# Altium PCB EE4951_BPM_REVA.PcbDoc (part 1 of 3) (continued)
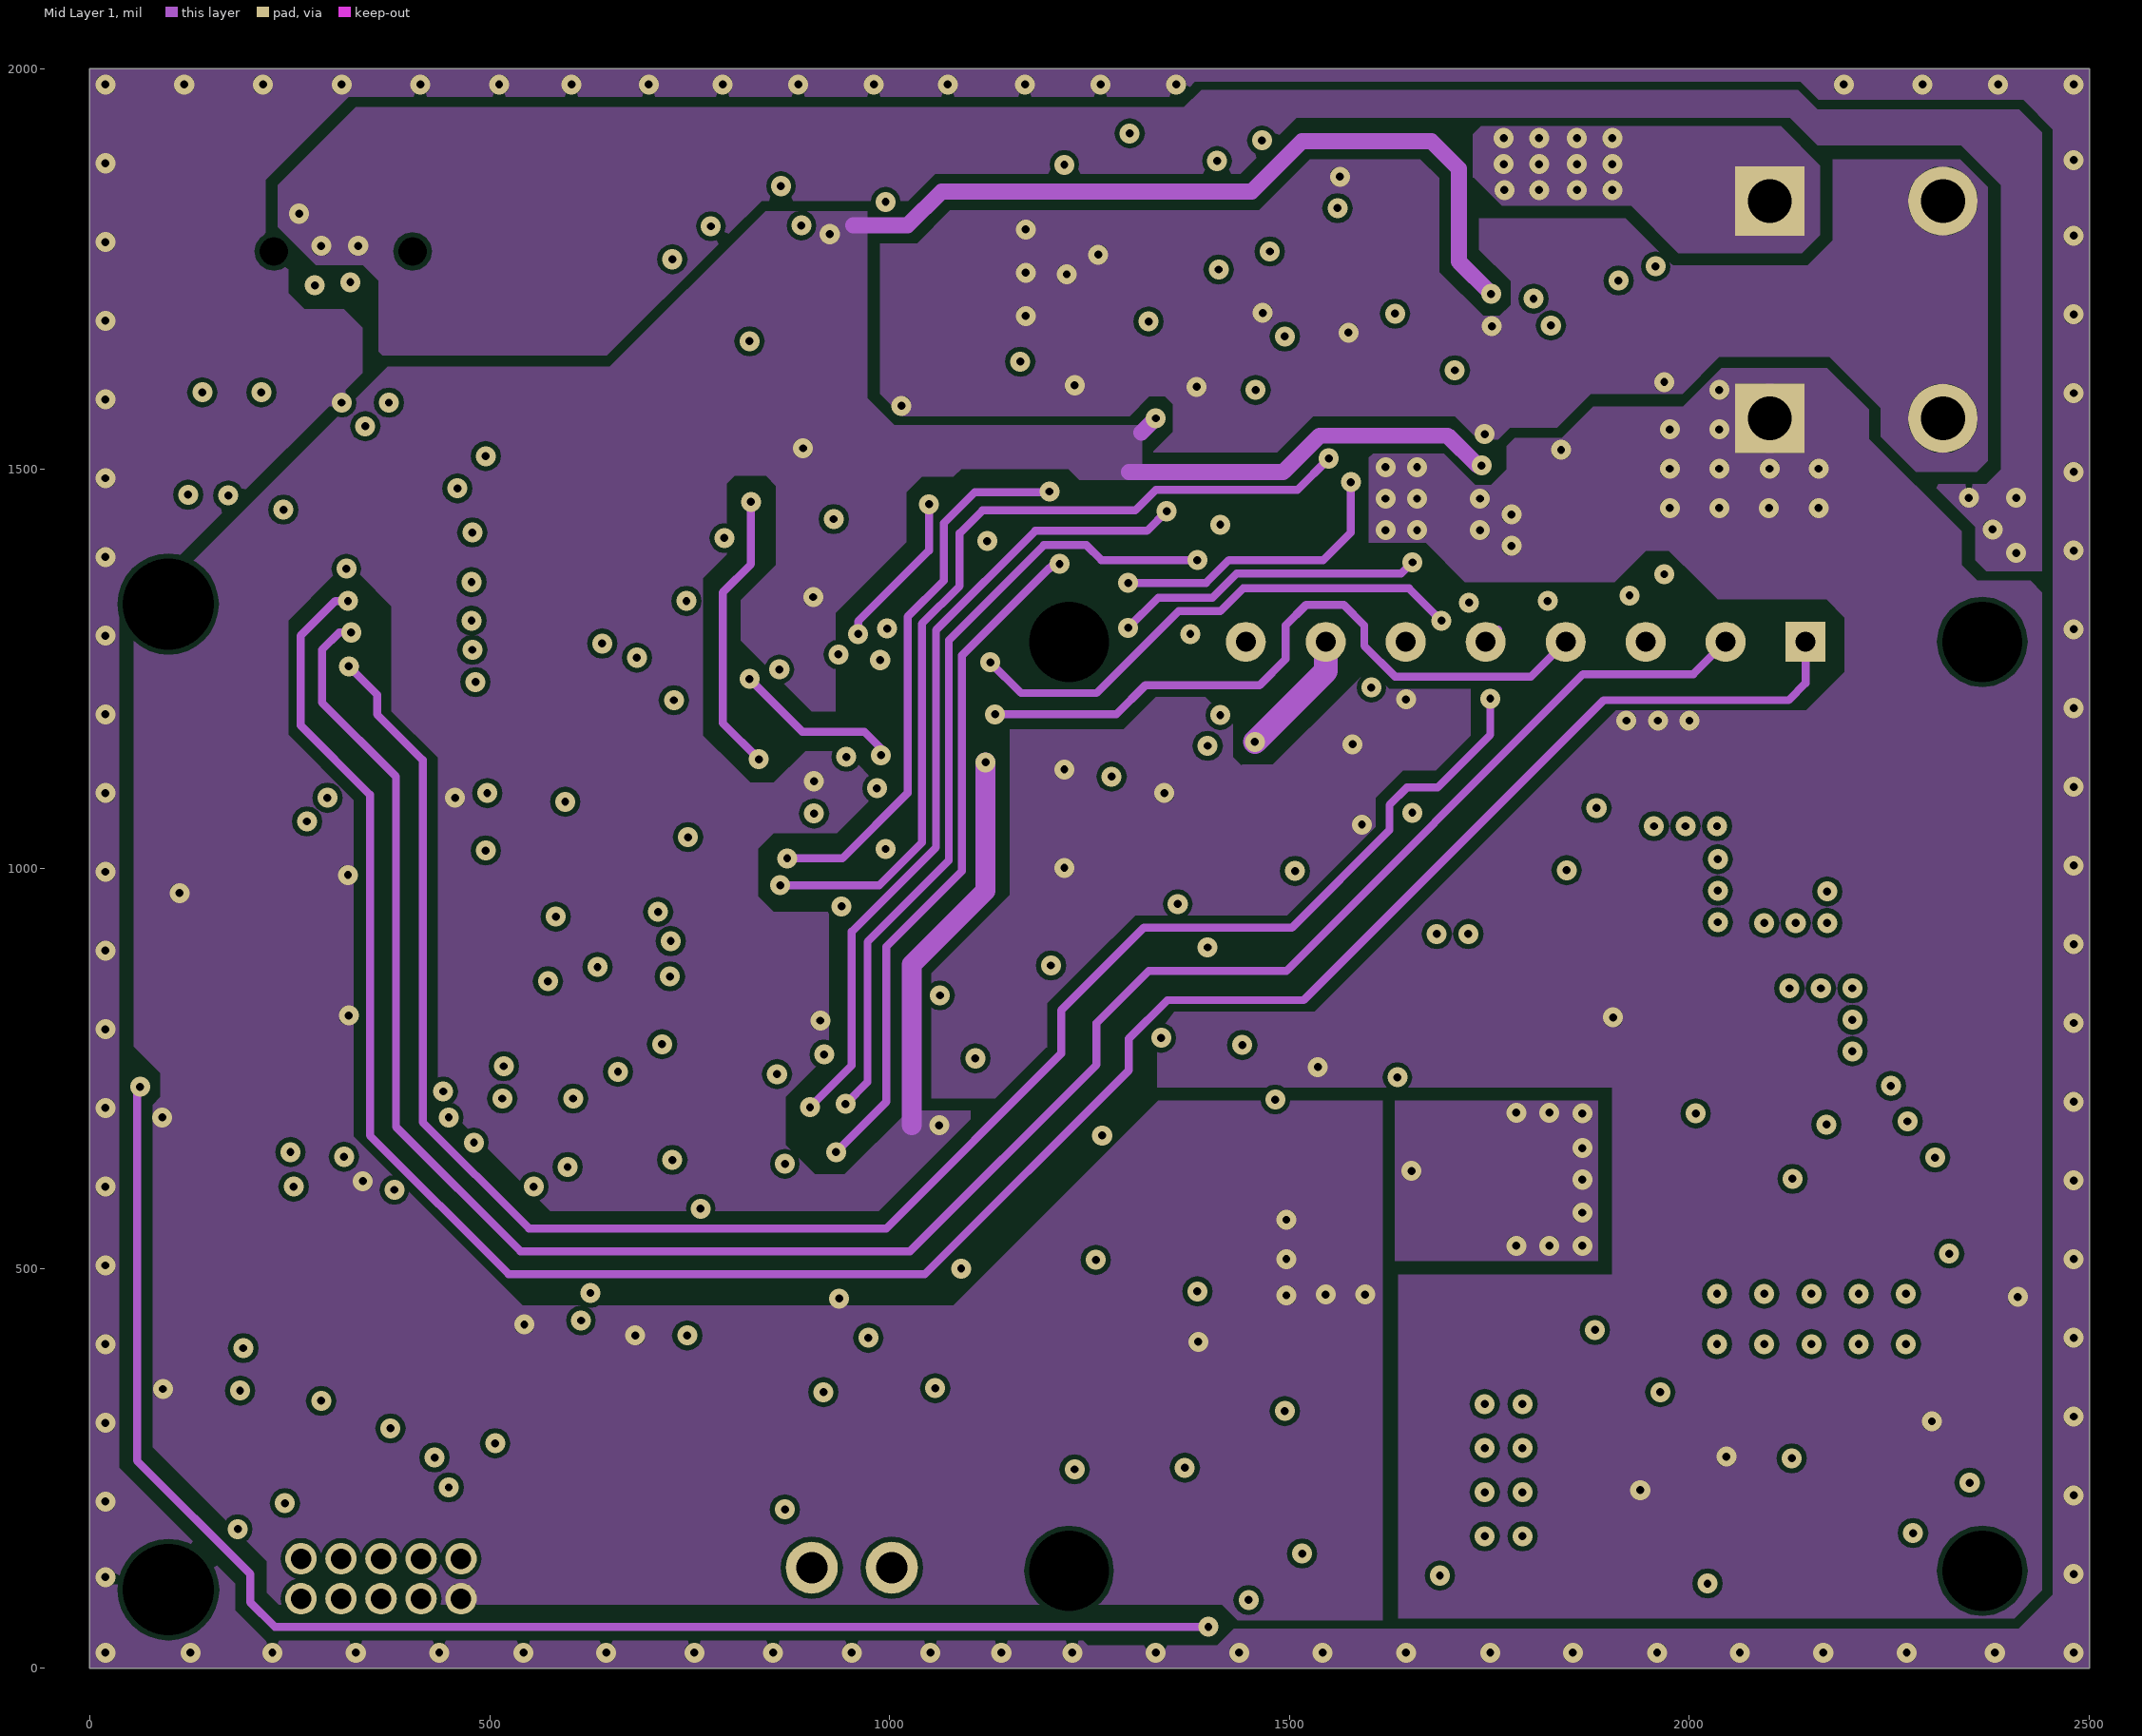
[diagram p3: Mid Layer 1]
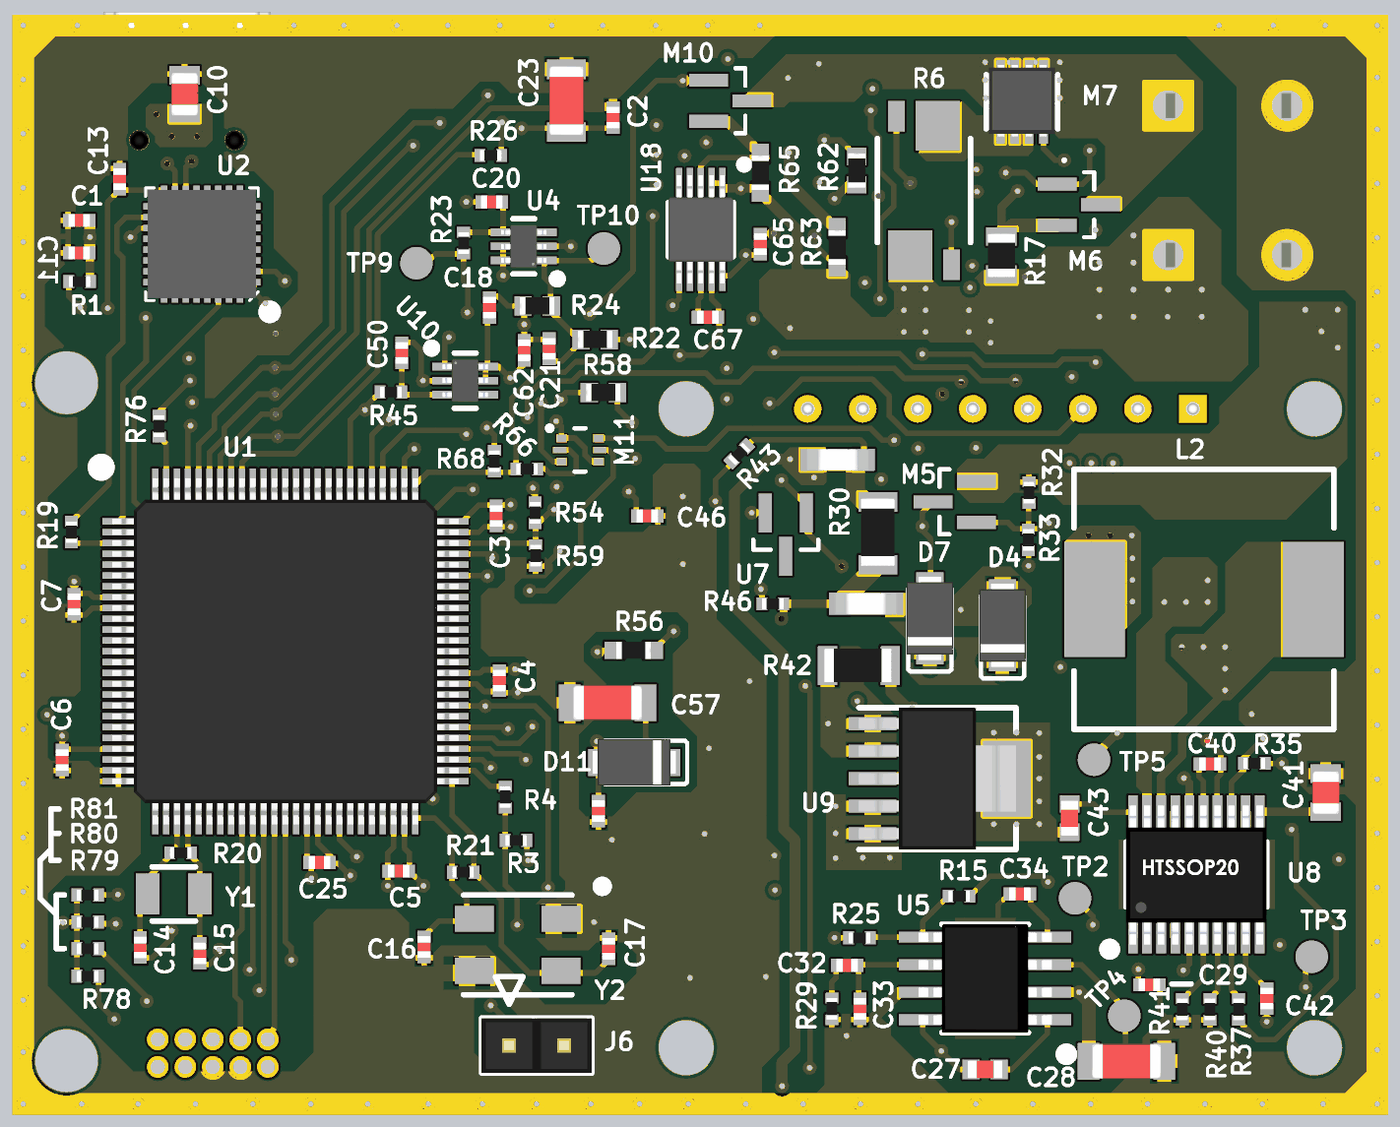
[diagram p6: 3D render of the assembled board from above, using the file's embedded part models]
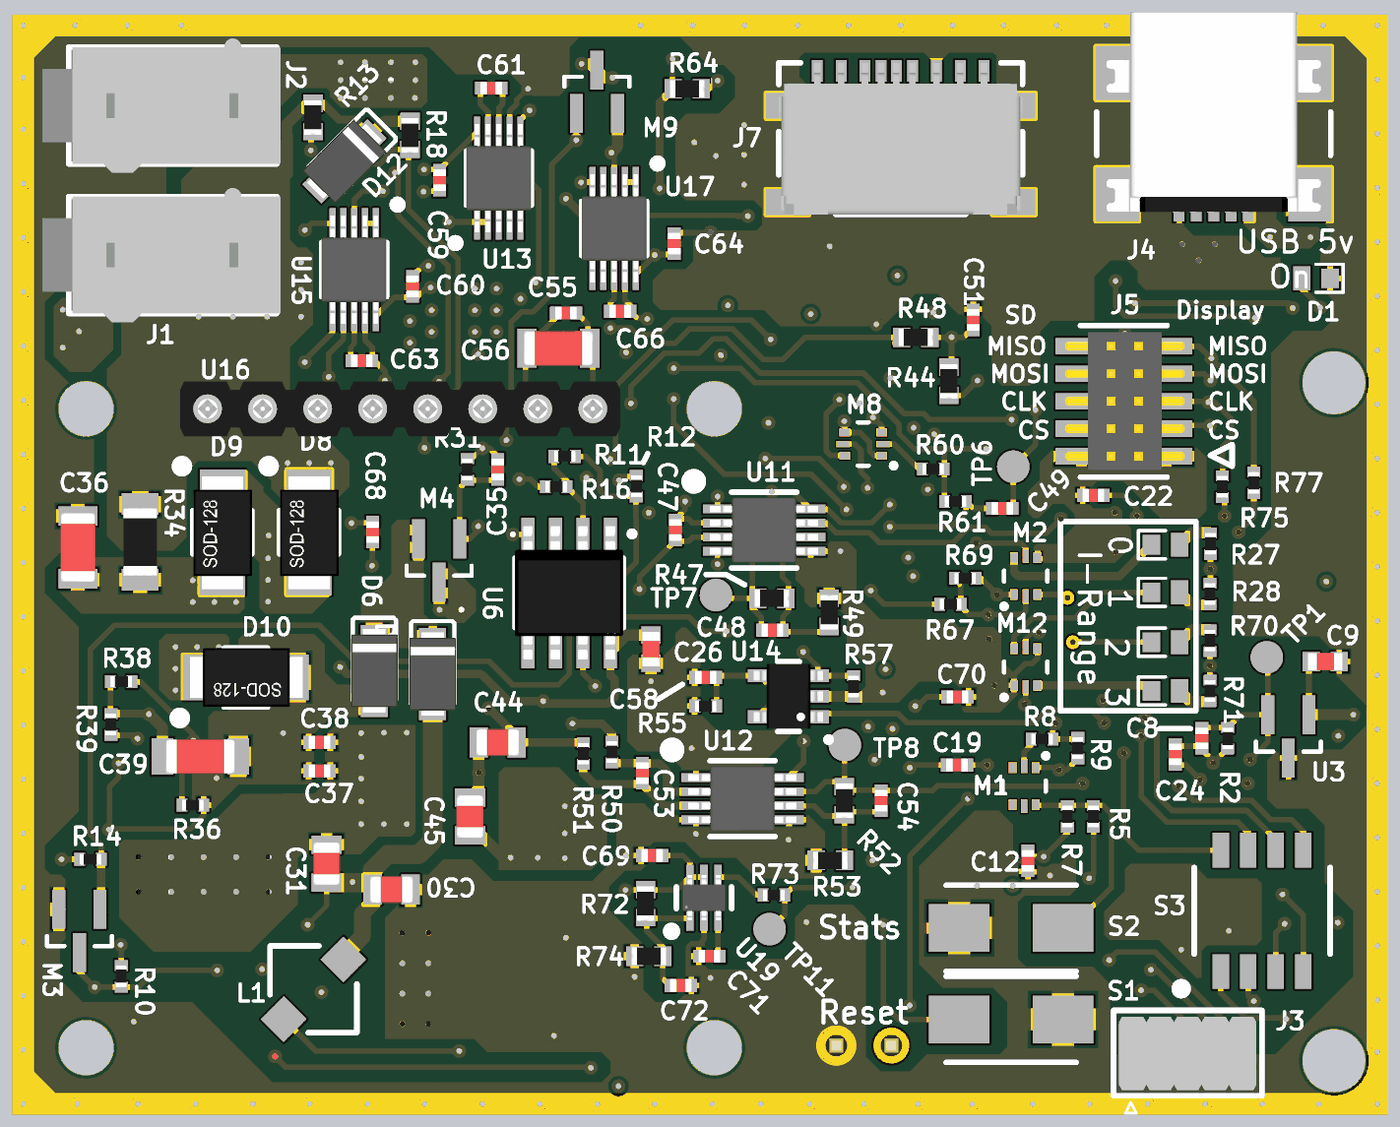
[diagram p7: 3D render of the assembled board from below, using the file's embedded part models]

## Layer stack, top to bottom
Top Solder: solder mask 0.4, Solder Resist, Dk 3.5
Top Layer: signal copper 1.4
Dielectric 1: core 10, FR-4, Dk 4.2
Ground Plane: signal copper 1.417
Dielectric 4: prepreg 5, Dk 4.2
Mid Layer 1: signal copper 1.417
Dielectric 3: core 10, Dk 4.2
Bottom Layer: signal copper 1.4
Bottom Solder: solder mask 0.4, Solder Resist, Dk 3.5

## Board outline
0,0 0,2000 2500,2000 2500,0

## Design rules (kind name [scope] priority, off if disabled: settings)
Clearance [All] p1: gap=6
DiffPairsRouting [All] p1: maxlimit=10 minlimit=10 mostfreqgap=10 toplayer_minwidth=10 toplayer_maxwidth=39.37 toplayer_prefwidth=15 midlayer1_minwidth=10 midlayer1_maxwidth=39.37 midlayer1_prefwidth=15 midlayer2_minwidth=15 midlayer2_maxwidth=15 midlayer2_prefwidth=15 bottomlayer_minwidth=10 bottomlayer_maxwidth=39.37 bottomlayer_prefwidth=15 maxuncoupledlength=500
HoleSize [All] p1: absolutevalues=TRUE maxlimit=200 minlimit=10 maxpercent=80.000 minpercent=20.000
MinimumSolderMaskSliver [All] p1 off: minsoldermaskwidth=10
PolygonConnect PolygonConnect_8 [All vs IsNamedPolygon('Internal Ground Plane')] p1: connectstyle=Relief reliefconductorwidth=10 reliefentries=4 polygonreliefangle="90 Angle" airgapwidth=10
PolygonConnect PolygonConnect_7 [All] p2: connectstyle=Relief reliefconductorwidth=10 reliefentries=4 polygonreliefangle="90 Angle" airgapwidth=0
PolygonConnect PolygonConnect_6 [All vs IsNamedPolygon('V_BAT_L01_P004')] p3: connectstyle=Relief reliefconductorwidth=10 reliefentries=4 polygonreliefangle="90 Angle" airgapwidth=0
PolygonConnect PolygonConnect_5 [All vs IsNamedPolygon('V_BAT_L01_P004')] p4: connectstyle=Relief reliefconductorwidth=10 reliefentries=4 polygonreliefangle="90 Angle" airgapwidth=0
PolygonConnect PolygonConnect_4 [All vs IsNamedPolygon('V_DUT_L01_P002')] p5: connectstyle=Relief reliefconductorwidth=10 reliefentries=4 polygonreliefangle="90 Angle" airgapwidth=0
PolygonConnect PolygonConnect_3 [All vs IsNamedPolygon('V_DUT_L01_P000')] p6: connectstyle=Relief reliefconductorwidth=10 reliefentries=4 polygonreliefangle="90 Angle" airgapwidth=0
PolygonConnect PolygonConnect_2 [All vs IsNamedPolygon('DUT_ISENSE_IN0_L04_P004')] p7: connectstyle=Relief reliefconductorwidth=10 reliefentries=4 polygonreliefangle="90 Angle" airgapwidth=0
PolygonConnect PolygonConnect_1 [All vs IsNamedPolygon('DUT_GND')] p8: connectstyle=Relief reliefconductorwidth=10 reliefentries=4 polygonreliefangle="90 Angle" airgapwidth=0
PolygonConnect [All] p9: connectstyle=Relief reliefconductorwidth=10 reliefentries=4 polygonreliefangle="90 Angle" airgapwidth=10
RoutingVias [All] p1: holewidth=10 width=25 viastyle="Through Hole" minholewidth=10 minwidth=25 maxholewidth=10 maxwidth=25
SilkToSilkClearance [All] p1 off: silktosilkclearance=10
SilkToSolderMaskClearance [IsPad] p1 off: minsilkscreentomaskgap=10 clearancetoexposedcopper=TRUE
SolderMaskExpansion [All] p1: expansion=4
Width [All] p1: maxlimit=100 minlimit=6 preferedwidth=10 midlayer1_minwidth=10 midlayer2_minwidth=10 midlayer2_maxwidth=10 minimp=50.000000 maximp=50.000000 favimp=50.000000
25 further rules are at their usual default settings.

## Classes and differential pairs
component class Power: C26 C27 C28 C29 C30 C31 C32 C33 C34 C35 C36 C37 C38 C39 C40 C41 C42 C43 C44 C45 C46 C47 C48 C49 C50 C51 C52 C53 C54 C57 C58 C62 C68 C69 C70 C71 C72 D4 D5 D6 D7 D8 D9 D10 D11 J1 J2 L1 L2 M3 M4 M5 Mech1 Mech2 NT1 NT2 R10 R11 R12 R14 R15 R16 R25 R29 R30 R31 R32 R33 R34 R35 R36 R37 R38 R39 R40 R41 R42 R43 R44 R45 R46 R47 R48 R49 R50 R51 R52 R53 R55 R56 R57 R72 R73 R74 TP2 TP3 TP4 TP5 TP6 TP7 TP8 TP11 U5 U6 U7 U8 U9 U10 U11 U12 U14 U19
component class "OLED Display": C55 C56 U16
component class "Voltage Measurement": C18 C19 C20 C21 R22 R23 R24 TP9 TP10 U4
component class Microcontroller: C1 C2 C3 C4 C5 C6 C7 C8 C9 C10 C11 C12 C13 C14 C15 C16 C17 C22 C23 C24 C25 D1 D2 D3 D13 D14 J3 J4 J5 J6 J7 M1 M2 M12 R1 R2 R3 R4 R5 R7 R8 R9 R19 R20 R21 R26 R27 R28 R70 R71 R75 R76 R77 R78 R79 R80 R81 S1 S2 S3 TP1 U1 U2 U3 Y1 Y2
component class "Current Measurement": C59 C60 C61 C63 C64 C65 C66 C67 D12 M6 M7 M8 M9 M10 M11 R6 R13 R17 R18 R54 R58 R59 R60 R61 R62 R63 R64 R65 R66 R67 R68 R69 U13 U15 U17 U18
differential pair V5_ISENSE: +V5_ISENSE_P -V5_ISENSE_N
differential pair V3_ISENSE: +V3_ISENSE_P -V3_ISENSE_N
differential pair USBD: +USBD_P -USBD_N
differential pair OSC32K: +OSC32K_P -OSC32K_N
differential pair OSC8M: +OSC8M_P -OSC8M_N

## Components (designator, comment, footprint, x,y, rotation, side; value= is the part's Value field where it differs from the comment)
C1 "10nF" CAP0402R 121.06,1625.98 r180 top
C2 "0.1uF" CAP0402R 1091.54,1812.99 r90 top
C3 "0.1uF" CAP0402R 878.94,1088.58 r270 top
C4 "0.1uF" CAP0402R 884.84,789.37 r270 top
C5 "0.1uF" CAP0402R 701.77,442.91 r0 top
C6 "0.1uF" CAP0402R 90.55,644.88 r270 top
C7 "0.1uF" CAP0402R 112.2,928.15 r270 top
C8 "1nF" CAP0402R 338.58,684.25 r270 bottom
C9 "1uF" CAP0603R 114.17,823.82 r180 bottom
C10 "4.7uF" CAP0805R 312.99,1855.32 r90 top
C11 "0.1uF" CAP0402R 121.06,1566.93 r180 top
C12 "1nF" CAP0402R 654.53,461.61 r270 bottom
C13 "0.1uF" CAP0402R 194.88,1700.79 r270 top
C14 "12pF" CAP0402R 232.28,304.13 r90 top
C15 "12pF" CAP0402R 340.55,293.31 r90 top
C16 "22pF" CAP0402R 748.03,305.12 r90 top
C17 "22pF" CAP0402R 1083.66,302.17 r270 top
C18 "0.1uF" CAP0402R 867.13,1467.52 r90 top
C19 "15pF" CAP0402R 783.46,635.83 r180 bottom
C20 "15pF" CAP0402R 871.06,1659.45 r180 top
C21 "10pF" CAP0402R 975.39,1392.72 r90 top
C22 "0.1uF" CAP0402R 535.43,1125.98 r0 bottom
C23 "10uF" CAP1206R 1006.89,1843.5 r270 top
C24 "0.1uF" CAP0402R 386.81,655.51 r90 bottom
C25 "0.1uF" CAP0402R 558.07,458.66 r0 top
C26 "0.1uF" CAP0603R 1339.57,846.46 r90 bottom
C27 "0.1uF" CAP0603R 1767.72,82.68 r180 top
C28 "10uF" CAP1206W 2024.61,97.44 r0 top
C29 "4.7nF" CAP0402R 2065.94,236.22 r180 top
C30 "33uF" CAP0805R 1811.02,409.45 r180 bottom
C31 "33uF" CAP0805R 1929.13,456.69 r90 bottom
C32 "4.7nF" CAP0402R 1516.73,271.65 r0 top
C33 "39pF" CAP0402R 1540.35,192.91 r90 top
C34 "1nF" CAP0402R 1830.71,401.57 r180 top
C35 "10pF" CAP0402R 1618.11,1173.23 r90 bottom
C36 "10uF" CAP1206R 2380.91,1031.5 r90 bottom
C37 "1nF" CAP0402R 1941.93,625 r180 bottom
C38 "0.1uF" CAP0402R 1941.93,677.17 r180 bottom
C39 "10uF" CAP1206W 2158.46,651.57 r0 bottom
C40 "0.1uF" CAP0402R 2176.18,637.8 r0 top
C41 "0.47uF" CAP0805R 2386.81,585.63 r270 top
C42 "4.7nF" CAP0402R 2279.53,211.61 r270 top
C43 "0.1uF" CAP0603R 1921.26,539.37 r270 top
C44 "10uF" CAP0805R 1618.11,677.17 r0 bottom
C45 "10uF" CAP0805R 1668.31,542.32 r90 bottom
C46 "0.1uF" CAP0402R 1153.54,1088.58 r0 top
C47 "4.7nF" CAP0402R 1295.28,1062.99 r270 bottom
C48 "15pF" CAP0402R 1119.09,880.91 r180 bottom
C49 "15pF" CAP0402R 700.79,1102.36 r0 bottom
C50 "15pF" CAP0402R 707.68,1384.84 r90 top
C51 "2.2pF" CAP0402R 753.94,1444.88 r90 bottom
C52 "0.1uF" CAP0402R 1064.96,552.17 r270 top
C53 "4.7nF" CAP0402R 1355.32,621.06 r270 bottom
C54 "15pF" CAP0402R 921.26,570.87 r270 bottom
C55 "0.1uF" CAP0402R 1494.09,1457.68 r180 bottom
C56 "10uF" CAP1206R 1507.87,1393.7 r180 bottom
C57 "10uF" CAP1206W 1081.69,749.02 r180 top
C58 "0.1uF" CAP0402R 1240.16,795.28 r0 bottom
C59 "0.1uF" CAP0402R 1723.43,1698.82 r270 bottom
C60 "0.1uF" CAP0402R 1772.64,1505.91 r90 bottom
C61 "1nF" CAP0402R 1629.92,1866.14 r0 bottom
C62 "0.1uF" CAP0402R 930.12,1389.76 r90 top
C63 "1nF" CAP0402R 1865.16,1371.06 r180 bottom
C64 "0.1uF" CAP0402R 1297.24,1583.66 r90 bottom
C65 "0.1uF" CAP0402R 1359.25,1582.68 r90 top
C66 "1nF" CAP0402R 1395.67,1460.63 r180 bottom
C67 "1nF" CAP0402R 1263.78,1449.8 r0 top
C68 "0.1uF" CAP0402R 1845.47,1059.06 r270 bottom
C69 "0.1uF" CAP0402R 1337.6,471.46 r0 bottom
C70 "15pF" CAP0402R 782.48,759.84 r180 bottom
C71 "15pF" CAP0402R 1233.27,288.39 r0 bottom
C72 "2.2pF" CAP0402R 1285.43,235.24 r180 bottom
D1 "LTST-S270KGKT" "LED Green 0603" 130.91,1520.67 r180 bottom
D2 "LTST-S270KGKT" "LED Green 0603" 404.53,1036.42 r0 bottom
D3 "LTST-S270KGKT" "LED Green 0603" 404.53,949.8 r0 bottom
D4 "PMEG3020" SOD-123 1799.21,889.76 r270 top
D5 "PMEG3020" SOD-123 1736.22,801.18 r90 bottom
D6 "PMEG3020" SOD-123 1842.51,807.08 r90 bottom
D7 "PMEG3020" SOD-123 1667.32,902.56 r270 top
D8 "PMEG3050" SOD128 1960.63,1059.05 r90 bottom
D9 "PMEG3050" SOD128 2118.11,1059.05 r90 bottom
D10 "PMEG3050" SOD128 2075.79,795.28 r0 bottom
D11 "BAT43W-G3-18" SOD-123 1129.92,640.75 r0 top
D12 "BZT52H-C18,115" SOD-123 1896.65,1733.27 r135 bottom
D13 "LTST-S270KGKT" "LED Green 0603" 404.53,859.25 r0 bottom
D14 "LTST-S270KGKT" "LED Green 0603" 404.53,770.67 r0 bottom
J1 "39-29-3026" "1x2 MicroFit" 2208.66,1562.99 r0 bottom
J2 "39-29-3026" "1x2 MicroFit" 2208.66,1834.65 r0 bottom
J3 "20021111-00010T4LF" "2x5 Header (1.27mm)" 364.17,112.2 r180 bottom
J4 "1734035-4" "USB MINI-B 1734035-4" 316.93,1669.29 r270 bottom
J5 "20021121-00010C4LF" "2x5 JTAG Header" 480.32,1297.24 r90 bottom
J6 "1x2 Header" "1x2 Header" 952.76,125.98 r0 top
J7 "Micro SD Connector" MICROSD_1050270001 885.83,1897.64 r0 bottom locked
L1 "6.8uH" CDRH3D28NP-6R8NC 1952.76,228.35 r180 bottom
L2 "22uH" Bourns_SRR1210 2165.35,937.01 r270 top
M1 "NX3020NAKV,115" SOT666-6N 661.42,597.64 r270 bottom
M2 "NX3020NAKV,115" SOT666-6N 658.46,979.33 r90 bottom
M3 "2N7002P,215" SOT23-3M 2377.95,334.65 r270 bottom
M4 "SI2315BDS-T1-E3" SOT23-3M 1724.41,1007.87 r270 bottom
M5 "SI2315BDS-T1-E3" SOT23-3M 1712.6,1114.17 r180 top
M6 "DMP3056L-7" SOT23-3M 1937.99,1654.53 r0 top
M7 "SI7101DN-T1-GE3" PowerPAK-1212-8 1834.65,1841.54 r90 top
M8 "NX3020NAKV,115" SOT666-6N 953.74,1219.49 r0 bottom
M9 "DMP3056L-7" SOT23-3M 1437.99,1859.25 r90 bottom
M10 "DMP3056L-7" SOT23-3M 1304.13,1843.5 r0 top
M11 "NX3020NAKV,115" SOT666-6N 1031.5,1208.66 r0 top
M12 "NX3020NAKV,115" SOT666-6N 658.46,813.98 r90 bottom
Mech1 "Standoff M2.5x12.5mm" "Standoff M2.5x12mm" 98.43,98.43 r0 top
Mech2 "Standoff M2.5x12.5mm" "Standoff M2.5x12mm" 98.43,1330.71 r90 top
NT1 "Net Tie" "Net Tie" 1500,1190.94 r180 top net-tie
NT2 "Net Tie" "Net Tie" 1551.18,929.13 r0 top net-tie
R1 "300R" RES0402R 122.05,1514.76 r0 top
R2 "100k" RES0402R 291.34,684.25 r90 bottom
R3 "10k" RES0402R 915.35,499.02 r0 top
R4 "100R" RES0402R 895.67,577.76 r90 top
R5 "1k" RES0402R 535.43,542.52 r270 bottom
R6 "10m" "2512 4 Terminal" 1591.54,1680.12 r270 top
R7 "100R" RES0402R 582.68,542.52 r90 bottom
R8 "100R" RES0402R 628.94,683.07 r0 bottom
R9 "10k" RES0402R 563.98,666.54 r90 bottom
R10 "100k" RES0402R 2302.17,251.97 r90 bottom
R11 "1MEG" RES0402R 1496.06,1196.85 r180 bottom
R12 "100k" RES0402R 1366.14,1142.72 r270 bottom
R13 "10k" RES0603R 1953.74,1812.99 r90 bottom
R14 "100k" RES0402R 2358.27,464.57 r0 bottom
R15 "10k" RES0402R 1720.47,397.64 r0 top
R16 "1MEG" RES0402R 1511.81,1141.73 r180 bottom
R17 "1R" RES0805R 1797.24,1562.01 r270 top
R18 "10k" RES0603R 1777.56,1780.51 r90 bottom
R19 "220R" RES0402R 107.28,1059.06 r90 top
R20 "1MEG" RES0402R 306.1,476.38 r180 top
R21 "1MEG" RES0402R 818.9,440.95 r180 top
R22 "220k" RES0603R 1059.06,1409.45 r0 top
R23 "0R" RES0402R 819.88,1584.65 r270 top
R24 "30k" RES0603R 953.74,1470.47 r0 top
R25 "1.8k" RES0402R 1539.37,321.85 r0 top
R26 "100R" RES0402R 869.09,1744.09 r0 top
R27 "220R" RES0402R 322.83,1038.39 r270 bottom
R28 "220R" RES0402R 323.82,946.85 r90 bottom
R29 "49.9k" RES0402R 1489.17,192.91 r90 top
R30 "0R1" RES1206R 1572.83,1057.09 r90 top
R31 "100K" RES0402R 1673.23,1173.23 r270 bottom
R32 "100K" RES0402R 1847.44,1130.91 r90 top
R33 "4.7K" RES0402R 1846.46,1045.28 r90 top
R34 "0R" RES1206W 2267.72,1041.34 r90 bottom
R35 "50k" RES0402R 2256.89,638.78 r0 top
R36 "127k" RES0402R 2172.24,562.99 r180 bottom
R37 "2k" RES0402R 2228.35,191.93 r90 top
R38 "100k" RES0402R 2302.17,787.4 r180 bottom
R39 "10k" RES0402R 2320.87,709.65 r270 bottom
R40 "4.99k" RES0402R 2176.18,191.93 r90 top
R41 "49.9k" RES0402R 2125.98,191.93 r90 top
R42 "0R1" RES1206R 1538.39,816.93 r180 top
R43 "10R" RES0402R 1320.87,1201.77 r225 top
R44 "120k" RES0603R 798.23,1333.66 r90 bottom
R45 "0R" RES0402R 687.99,1313.98 r180 top
R46 "10R" RES0402R 1381.89,929.13 r180 top
R47 "59k" RES0603R 1120.08,938.98 r0 bottom
R48 "150k" RES0603R 858.27,1413.39 r0 bottom
R49 "10k" RES0603R 1015.75,913.39 r270 bottom
R50 "10R" RES0402R 1410.43,659.45 r270 bottom
R51 "10R" RES0402R 1462.6,656.5 r270 bottom
R52 "59k" RES0603R 988.19,570.87 r90 bottom
R53 "10k" RES0603R 1013.78,462.6 r180 bottom
R54 "100R" RES0402R 949.8,1094.49 r90 top
R55 "1MEG" RES0402R 1240.16,743.11 r180 bottom